# KiCad board for_real_486_2.kicad_pcb (continued)
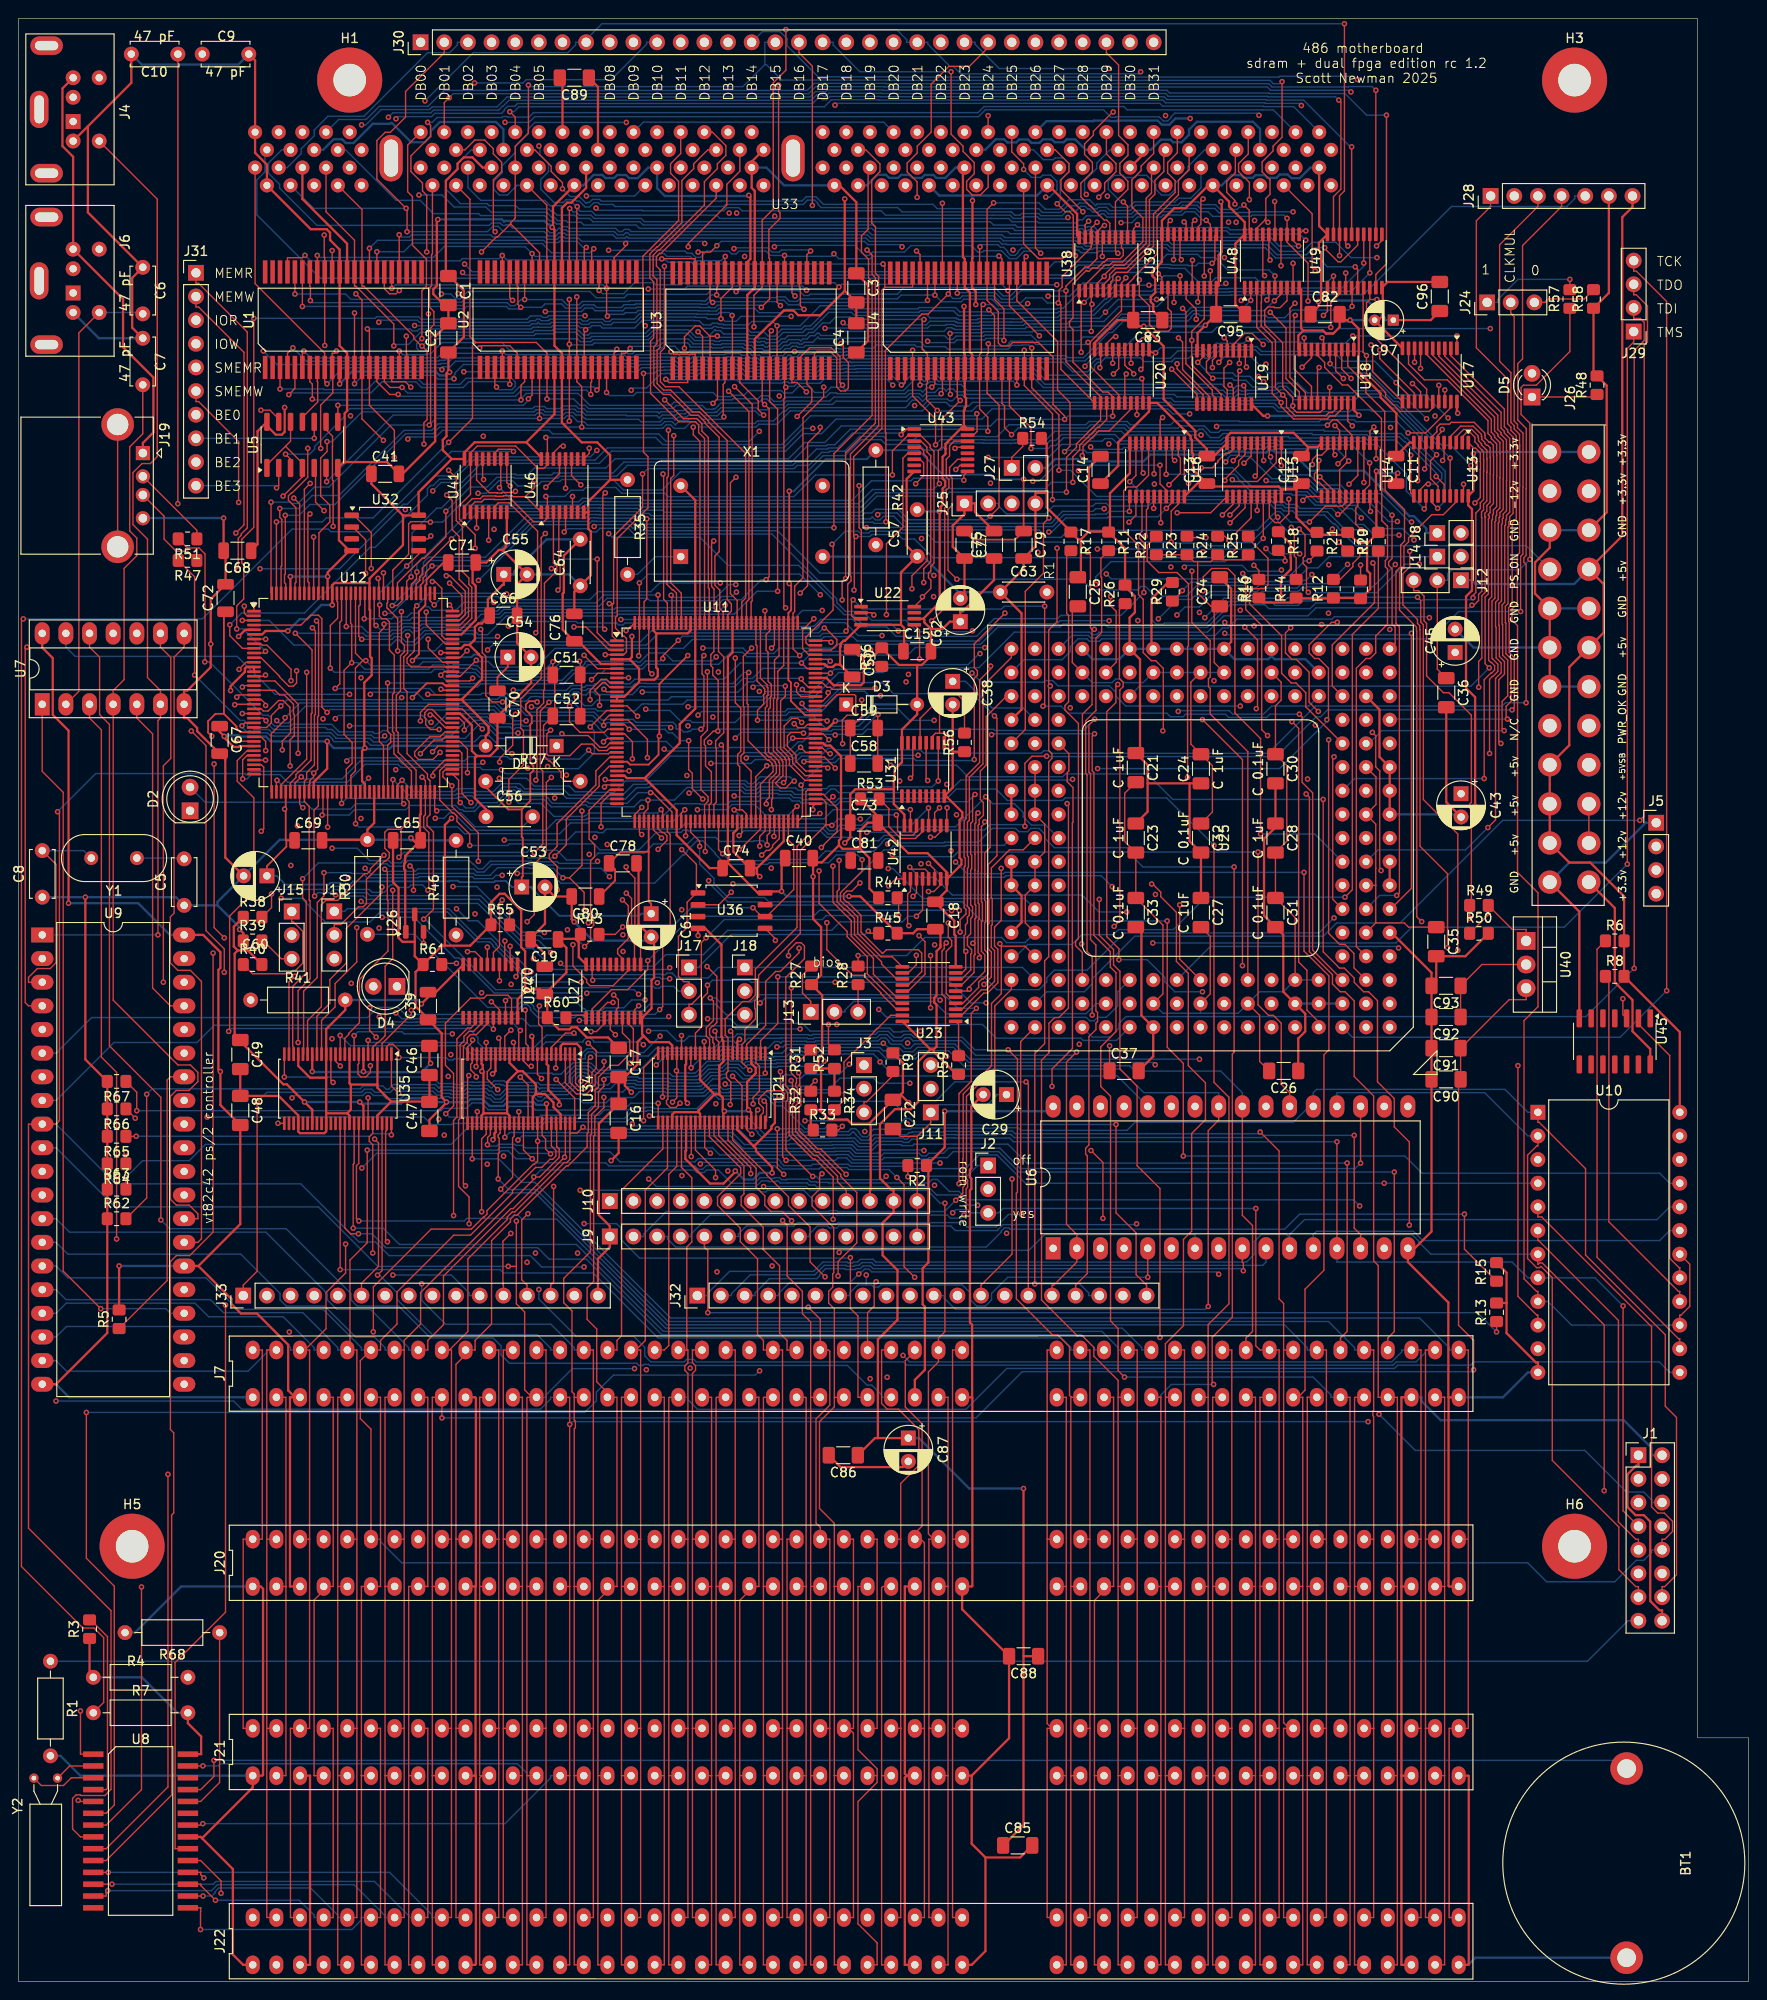
[diagram p0: board, top side]
## Routing (per net, layer and track width the routed paths; a pad name or vN(x,y) marks a point on that pad's centre or on a via; arc(x,y) is an arc through that point) (continued)
DB13: length 202.4
  Top w0.15: v1(59.19,190.43) 59.16,190.39 59.16,183.62 ; v1(137.13,178.94) 137.01,178.81 137.01,173.19 138.87,171.32 U18.13 ; v1(29.56,159.32) 30.19,158.69 U12.138 ; U48.14 v1(135.59,184.28)
  In1.Cu w0.15: 58.9,191.86 53.12,191.86 U33.17 ; 58.9,191.86 60.26,191.86 60.74,192.35 61.22,192.35 61.71,191.86 62.7,191.86 63.38,192.54 63.38,193.02 64.88,194.52 64.88,195.15 66.15,196.42 66.15,197.07 67.31,198.23 67.31,198.88 75.58,207.15 76.2,207.15 J30.14 ; 58.9,191.86 58.9,190.72 v1(59.19,190.43) ; v1(29.56,159.32) 29.56,164.36 32.5,167.3 34.79,167.3 v1(35.65,168.16)
  In2.Cu w0.15: v1(137.13,178.94) 137.04,179.04 136.5,179.04 135.82,179.72 135.82,183.35 136.17,183.7 ; 136.17,183.7 136.88,183.7 138.25,185.08 v1(138.25,187.02) ; 136.17,183.7 v1(135.59,184.28) ; v1(35.65,168.16) 37.07,169.59 37.07,175.78 39.37,178.08 39.37,178.18 52.07,190.88 U33.17
  Bottom w0.15: v1(59.19,190.43) 59.57,190.06 59.88,190.06 60.23,189.71 61.48,189.71 61.83,189.36 66.87,189.36 67.22,189 91.92,189 104.37,189 104.72,188.65 107.05,188.65 107.29,188.41 113.62,188.41 113.81,188.61 114.4,188.61 114.59,188.41 114.78,188.41 114.85,188.48 115.49,188.48 115.95,188.02 124.08,188.02 124.09,188.02 129.75,188.02 130.1,187.67 137.6,187.67 v1(138.25,187.02)
DB14: length 221.3
  Top w0.15: U18.12 138.22,170.64 136.56,172.3 136.56,179.71 v1(137.1,180.25) ; v1(31.32,160.9) 30.69,160.27 U12.137 ; U48.17 133.64,183.4 v1(133.83,183.21) ; U33.19 56.73,190.79 56.73,185.16 56.75,185.14 56.75,183.62
  In1.Cu w0.15: J30.15 77.61,208.28 77.61,208.56 76.77,209.41 75.67,209.41 74.93,208.67 74.93,207.89 66.72,199.67 v1(65.28,199.67) ; v1(133.83,183.21) 136.8,180.25 v1(137.1,180.25)
  In2.Cu w0.15: v1(137.1,180.25) 137.1,182.36 140.38,185.64 140.53,185.64 143.81,188.92 v1(143.81,204.28) ; v1(31.32,160.9) 37.42,167 37.42,175.64 54.61,192.83 U33.19
  Bottom w0.15: U33.19 53.54,192.91 52.5,191.87 51.64,191.87 51.03,192.48 51.03,193.34 51.95,194.26 51.95,195.03 53.34,196.42 53.34,197.04 54.72,198.42 54.72,198.93 55.46,199.67 v1(65.28,199.67) ; J30.15 79.89,209.43 81.77,209.43 82.55,208.65 82.55,207.9 85.88,204.57 93.4,204.57 93.43,204.54 135.38,204.54 135.47,204.63 143.46,204.63 v1(143.81,204.28)
DB15: length 198.6
  Top w0.15: 52.84,188.78 51.42,187.36 51.31,187.36 v1(49.72,185.77) ; 52.84,188.78 55.95,185.67 55.95,183.62 ; 52.84,188.78 52.84,188.89 53.34,189.39 U33.20 53.34,197.12 54.76,198.54 v1(54.76,203.68) ; v1(134.45,179.27) 136.13,177.59 136.13,172.15 137.57,170.71 U18.11 ; 133.91,189.23 133,188.31 U48.18 ; 133.91,189.23 v1(134.19,188.94) ; 133.91,189.23 133.91,189.31 133.97,189.37 133.97,191.51 134.42,191.95 134.42,193.51 133.56,194.36 133.56,195.43 134.74,196.61 134.74,197.12 135.71,198.09 v1(135.71,204.05) ; v1(31.29,157.63) 31.07,157.41 31.07,150.34 31.19,150.23 U12.136
  In2.Cu w0.15: v1(134.19,188.94) 133.25,188 133.25,180.46 v1(134.45,179.27) ; v1(31.29,157.63) 37.77,164.11 37.77,175.49 44.8,182.52 45.15,182.52 48.39,185.77 v1(49.72,185.77)
  Bottom w0.15: J30.16 80.15,208.28 80.15,205.88 ; 80.15,205.88 77.79,203.52 54.93,203.52 v1(54.76,203.68) ; 80.15,205.88 80.32,205.88 81.98,204.22 93.26,204.22 93.29,204.18 134.42,204.18 134.77,203.83 135.49,203.83 v1(135.71,204.05)
DB16: length 176.7
  Top w0.15: U39.3 v1(124.11,180.34) ; v1(131.16,172.98) 131.01,172.84 131.01,169.53 U19.18 ; v1(76.64,178.94) 76.67,178.91 U3.9 ; v1(31.68,155.15) 31.69,155.14 U12.135 ; v1(85.26,190.75) 85.26,205.71 83.82,207.15 J30.17
  In1.Cu w0.15: 85.26,189.81 v1(85.26,190.75) ; 85.26,189.81 85.26,187.55 v1(76.64,178.94) ; 85.26,189.81 105.41,189.81 ; 125.38,179 125.71,179.34 125.71,179.82 125.2,180.34 v1(124.11,180.34) ; 125.38,179 118.43,179 116.55,180.88 116.37,180.88 115.82,181.42 115.51,181.42 115.04,181.9 113.63,181.9 110.49,185.04 109.55,185.04 109.21,185.38 109.21,186.01 105.41,189.81 ; 125.38,179 125.38,178.27 129.5,174.14 129.5,173.64 130.17,172.98 v1(131.16,172.98) ; 105.41,189.81 U33.55
  In2.Cu w0.15: v1(31.68,155.15) 31.68,156.4 30.7,157.38 30.7,157.85 30.91,158.06 30.91,160.49 30.69,160.71 30.69,161.12 33.96,164.38 33.96,167.6 36.72,170.36 36.72,175.93 38.78,177.99 38.78,178.11 v1(38.68,178.21)
  Bottom w0.15: v1(76.64,178.94) 76.33,179.25 75.28,179.25 75.08,179.06 74.02,179.06 74,179.08 72.89,179.08 72.85,179.11 66.7,179.11 66.13,178.54 63.74,178.54 63.49,178.29 63.01,178.29 62.76,178.54 61.28,178.54 61.08,178.33 60.6,178.33 60.39,178.54 57.07,178.54 56.96,178.43 56.96,178.43 56.9,178.37 56.13,178.37 55.97,178.54 55.66,178.54 55.51,178.38 54.97,178.38 54.77,178.19 43.07,178.19 42.83,178.43 38.9,178.43 v1(38.68,178.21)
DB17: length 202.7
  Top w0.15: v1(124.76,183.19) 124.76,183.19 U39.4 ; U12.134 32.26,149.16 32.26,155.58 33.43,156.75 33.43,158.56 32.44,159.54 32.44,163.63 33.13,164.32 v1(33.13,165.39) ; v1(100.16,205.11) 100.16,198.4 101.45,197.11 101.45,196.55 102.64,195.36 102.64,194.16 101.83,193.34 101.83,192.48 102.44,191.87 103.3,191.87 104.14,192.71 U33.56 ; U3.10 77.47,171.73 79.45,169.75 79.45,168.81 v1(80.02,168.23) ; U19.17 130.47,171.12 v1(130.12,171.47)
  In1.Cu w0.15: v1(130.12,171.47) 131.05,172.4 131.78,172.4 132.48,173.1 132.48,174.86 129.3,178.05 129.3,178.66 v1(124.76,183.19)
  In2.Cu w0.15: U33.56 104.14,187.45 v1(110.58,181.01) ; J30.18 86.36,207.15 82.49,203.28 82.49,189.06 80.35,186.93 80.35,178.53 80.13,178.3 80.13,177.93 79.52,177.32 79.52,168.74 v1(80.02,168.23)
  Bottom w0.15: v1(110.58,181.01) 112.89,181.01 114.31,182.43 116.71,182.43 117.85,183.56 121.46,183.56 122.18,182.84 122.66,182.84 123.01,183.19 123.01,183.19 v1(124.76,183.19) ; v1(33.13,165.39) 33.69,165.39 36.88,168.58 55.35,168.58 55.57,168.81 56.34,168.81 56.57,168.58 58.32,168.58 58.6,168.87 59.72,168.87 60.01,168.58 60.57,168.58 60.92,168.23 65.27,168.23 65.34,168.16 68.57,168.16 68.81,167.92 69.12,168.24 70.47,168.24 70.54,168.18 70.73,168.37 71.6,168.37 71.79,168.56 73.14,168.56 73.55,168.16 75.06,168.16 75.56,168.66 79.14,168.66 79.57,168.23 v1(80.02,168.23) ; v1(100.16,205.11) 90.37,205.11 87.49,208 87.49,208.28 J30.18
DB18: length 193.7
  Top w0.15: v1(126.65,180.38) 126.7,180.43 U39.7 ; v1(112.71,185.62) 112.13,185.04 109.55,185.04 107.95,186.64 U33.57 ; U19.16 129.82,170.96 129.47,171.31 129.47,173.28 v1(130.08,173.89) ; U3.13 79.87,169.64 v1(80.13,169.38) 80.61,168.9 80.61,150.87 v1(80.3,150.56) ; U12.128 v1(35.19,145.53)
  In1.Cu w0.15: v1(130.08,173.89) 130.08,176.77 126.65,180.2 v1(126.65,180.38) 126.29,180.38 122.66,184 116.94,184 116.94,184 114.02,184 112.71,185.3 v1(112.71,185.62)
  In2.Cu w0.15: J30.19 88.9,207.15 82.84,201.1 82.84,187.98 v1(81.18,186.32) 80.73,185.86 80.73,178.4 80.48,178.16 80.48,177.74 80.13,177.39 v1(80.13,169.38)
  Bottom w0.15: v1(80.3,150.56) 79.78,150.56 77.62,148.4 75.65,148.4 75.31,148.06 74.81,147.56 64.16,147.56 63.96,147.36 52.09,147.36 51.58,146.84 49.69,146.84 48.64,145.79 43.32,145.79 42.92,145.39 42.3,145.39 42.26,145.43 42.23,145.43 42.16,145.5 41.39,145.5 41.03,145.14 40.09,145.14 39.81,144.86 37.51,144.86 36.84,145.53 v1(35.19,145.53) ; v1(81.18,186.32) 81.33,186.47 89.81,186.47 90.89,185.39 91.37,185.39 91.72,185.74 95.13,185.74 95.83,186.44 102.33,186.44 103.03,185.74 103.51,185.74 103.67,185.9 105.57,185.9 106.42,185.04 107.19,185.04 107.99,185.84 108.74,185.84 109.55,185.04 110.02,185.04 110.13,185.15 112.24,185.15 v1(112.71,185.62)
DB19: length 186
  Top w0.15: U39.8 127.36,178.58 126.01,177.23 v1(126.01,176.27) 126.01,173.63 129.17,170.47 U19.15 ; U12.125 36.69,147.86 36.54,147.71 36.54,144.47 v1(36.86,144.15) ; v1(80.85,177.3) 80.67,177.11 U3.14 80.67,169.73 81.53,168.87 v1(81.53,149.31)
  In1.Cu w0.15: v1(106.81,185.97) 108.32,185.97 108.86,185.43 108.86,185.23 109.4,184.69 109.95,184.69 111.92,182.73 112.3,182.73 113.48,181.55 114.89,181.55 115.36,181.07 115.68,181.07 116.22,180.53 116.33,180.53 120.93,175.92 125.67,175.92 v1(126.01,176.27)
  In2.Cu w0.15: v1(80.85,177.3) 80.83,177.32 80.83,178.01 81.25,178.43 81.25,185.31 83.19,187.26 83.19,198.91 91.44,207.15 J30.20 92.57,208.28 92.57,208 100.43,200.14 103.58,200.14 103.9,199.82 104.42,199.82 105.41,198.83 105.41,198.23 106.68,196.96 U33.58 106.68,186.09 v1(106.81,185.97)
  Bottom w0.15: v1(81.53,149.31) 79.32,149.31 76.86,146.85 64.45,146.85 64.25,146.65 52.38,146.65 50.37,144.65 49.4,144.65 48.95,145.09 43.61,145.09 42.4,143.88 41.58,143.88 41.03,144.43 40.38,144.43 40.1,144.15 v1(36.86,144.15)
DB20: length 187.1
  Top w0.15: v1(37.12,146.36) 37.19,146.43 U12.124 ; U39.13 v1(127.36,183.17) ; v1(81.63,203.68) 81.63,190.13 81.79,189.98 81.79,189.36 80.58,188.15 80.58,185.13 80.67,185.04 U3.31 80.67,180.7 v1(79.78,179.81) ; v1(125.03,179.69) 125.38,179.34 125.38,173.76 128.22,170.92 128.22,170.42 128.52,170.12 U19.14 ; v1(109.78,185.62) 109.22,186.18 U33.60
  In1.Cu w0.15: U33.60 109.22,196.96 110.26,198 110.26,199.08 109.67,199.67 103.44,199.67 95.11,208 95.11,208.28 J30.21 93,208.28 93,208.19 88.49,203.68 v1(81.63,203.68) ; v1(125.03,179.69) 118.33,179.69 116.79,181.23 116.51,181.23 115.97,181.78 115.66,181.78 115.18,182.25 113.89,182.25 110.53,185.62 v1(109.78,185.62)
  In2.Cu w0.15: v1(56.57,179.35) 56.57,171.48 55.6,170.51 55.6,170.01 53.94,168.35 53.94,155.74 50.99,152.79 50.99,148.18 v1(51.05,148.12) ; v1(125.03,179.69) 127.36,182.02 v1(127.36,183.17)
  Bottom w0.15: v1(79.78,179.81) 79.54,180.04 75.07,180.04 74.79,179.76 74.31,179.76 74.2,179.87 74.14,179.87 74.05,179.78 73.18,179.78 73.14,179.82 66.41,179.82 66.33,179.74 65.18,179.74 64.88,179.44 61.94,179.44 61.65,179.72 60.84,179.72 60.47,179.35 v1(56.57,179.35) ; v1(51.05,148.12) 47.82,148.12 46.96,147.27 44.41,147.27 44.02,147.65 43.54,147.65 42.85,146.96 42.14,146.96 41.74,146.55 40.26,146.55 40.07,146.36 v1(37.12,146.36)
DB21: length 201.3
  Top w0.15: 38.19,149.09 38.19,145.84 v1(38.39,145.64) ; U19.13 127.87,170.28 125.03,173.12 125.03,176.08 v1(124.58,176.53) ; v1(78.98,177.71) 78.98,181.1 79.87,181.99 U3.32 79.87,189.17 81.06,190.36 81.06,203.92 82.42,205.28 v1(82.42,209.64) ; U39.14 126.7,188.46 126.99,188.75 126.99,191.22 v1(127.22,191.45)
  In1.Cu w0.15: v1(120.52,205.11) 120.52,204.76 123.77,201.51 123.77,200.17 123.38,199.78 123.38,198.2 124.26,197.32 124.26,196.28 123.34,195.37 123.34,194.27 ; U33.65 119.06,192.91 120.16,194.01 121.14,194.01 121.42,193.73 122.33,193.73 122.87,194.27 123.34,194.27 ; 123.34,194.27 124.23,193.38 124.23,192.86 125.64,191.45 v1(127.22,191.45)
  In2.Cu w0.15: v1(127.22,191.45) 126.99,191.22 126.99,188.3 125.46,186.77 125.46,184.68 125.12,184.35 125.03,184.35 124.18,183.49 124.18,183.13 123.49,182.44 123.49,177.62 v1(124.58,176.53) ; v1(78.98,177.71) 78.98,151.1 v1(77.11,149.22)
  Bottom w0.15: v1(38.39,145.64) 38.82,145.21 39.66,145.21 39.95,145.49 40.88,145.49 41.24,145.85 42.31,145.85 42.31,145.85 42.87,145.85 43.17,146.15 47.27,146.15 48.32,147.19 51.43,147.19 51.95,147.71 62.36,147.71 63.21,148.56 67.55,148.56 67.81,148.3 75.05,148.3 75.5,148.75 76.63,148.75 v1(77.11,149.22) ; v1(120.52,205.11) 120.29,204.89 101.2,204.89 100.4,205.69 100.05,205.69 97.65,208.09 97.65,208.28 J30.22 95.39,208.28 95.39,208.56 94.31,209.64 v1(82.42,209.64)
DB22: length 187.4
  Top w0.15: 38.69,149.09 38.69,150.61 v1(38.61,150.69) ; v1(77.06,181.5) 77.47,181.9 U3.35 ; U39.17 124.76,185.05 v1(124.89,184.92) ; U19.12 127.22,170.43 124.44,173.21 v1(124.44,173.75)
  In1.Cu w0.15: J30.23 100.19,208.28 100.19,208 107.24,200.94 113.52,200.94 114.79,199.67 117.27,199.67 117.92,199.02 117.92,198.2 116.84,197.12 U33.66 ; v1(124.44,173.75) 122.21,173.75 117.25,178.7 116.51,178.7 115.87,179.34 115.87,180.38 115.53,180.72 115.22,180.72 114.87,181.07 112.93,181.07 112.87,181.01 112.26,181.01 111.92,181.35 111.92,181.83 v1(111.51,182.24)
  In2.Cu w0.15: v1(124.44,173.75) 123.14,175.04 123.14,182.77 123.83,183.45 123.83,183.86 v1(124.89,184.92) ; v1(111.51,182.24) 111.51,189.64 114.42,192.55 114.42,193.24 116,194.82 U33.66 ; v1(45.41,181.25) 44.54,181.25 38.61,175.31 38.61,150.69 v1(38.61,150.69)
  Bottom w0.15: v1(45.41,181.25) 46.42,181.25 46.96,180.71 47.43,180.71 48.24,181.51 61.36,181.51 62.03,180.84 65.04,180.84 65.41,181.2 73.93,181.2 74.45,181.72 76.84,181.72 v1(77.06,181.5) 77.17,181.61 83.82,181.61 84.35,181.07 84.87,181.07 85.02,181.23 94.39,181.23 95.1,181.93 104.85,181.93 105.75,181.04 106.54,181.04 107.74,182.24 v1(111.51,182.24)
DB23: length 186.7
  Top w0.15: U19.11 126.57,170.45 v1(123.86,173.16) ; U12.120 v1(39.19,151.29) ; v1(75.44,178.58) 75.44,180.76 76.67,181.99 U3.36 ; v1(124.05,184.92) 124.11,184.97 U39.18
  In1.Cu w0.15: v1(82.98,178.84) 87.89,178.84 v1(88.56,178.17)
  In2.Cu w0.15: 122.71,180.65 122.71,182.83 123,183.12 123,183.87 v1(124.05,184.92) ; 122.71,180.65 v1(122.23,180.65) ; 122.71,180.65 122.71,174.3 v1(123.86,173.16) ; v1(116.75,179.29) 117.18,179.73 117.18,186.84 119.01,188.66 119.01,189.13 118.92,189.21 118.92,189.4 120.65,191.12 U33.67 120.65,195.21 121.7,196.26 121.7,197.34 120.82,198.22 120.82,201.76 v1(117.12,205.46) ; v1(39.19,151.29) 39.78,151.88 39.78,169.42 39.72,169.47 39.72,175.93 41.65,177.85 v1(42.53,177.85)
  Bottom w0.15: v1(122.23,180.65) 118.11,180.65 v1(116.75,179.29) 116.09,178.64 112.02,178.64 111.76,178.38 110.32,178.38 107.92,178.38 107.76,178.22 106.67,178.22 106.66,178.24 103.19,178.24 103.09,178.13 100.85,178.13 100.76,178.22 100.64,178.22 100.55,178.32 97.88,178.32 97.49,177.93 88.8,177.93 v1(88.56,178.17) ; J30.24 102.73,208.28 102.73,208.06 105.33,205.46 v1(117.12,205.46) ; v1(82.98,178.84) 77.59,178.84 77.06,178.31 75.86,178.31 75.59,178.58 v1(75.44,178.58) 74,178.58 73.85,178.73 72.74,178.73 72.71,178.76 66.85,178.76 66.27,178.19 63.89,178.19 63.63,177.94 62.86,177.94 62.61,178.19 61.43,178.19 61.22,177.98 60.45,177.98 60.25,178.19 57.22,178.19 57.11,178.07 57.1,178.07 57.05,178.02 55.99,178.02 55.82,178.19 55.81,178.19 55.65,178.03 55.12,178.03 54.92,177.84 42.55,177.84 v1(42.53,177.85)
DB24: length 186.4
  Top w0.15: v1(96.51,191.62) 96.51,193.29 95.44,194.36 95.44,195.31 96.52,196.39 96.52,197.12 98.02,198.62 98.02,203.79 99.92,205.69 102.11,205.69 104.14,207.72 J30.25 ; v1(100.09,170.46) 100.02,170.52 U4.9 100.02,176.97 v1(100.05,177) ; 115.21,180.14 v1(115.21,177.23) ; 115.21,180.14 v1(115.29,180.14) ; 115.21,180.14 U38.3 ; U12.119 39.64,149.04 39.64,148.1 39.56,148.01 39.56,147.54 39.64,147.45 40.71,146.38 v1(40.71,142.91) ; U20.18 v1(120.12,168.28)
  In2.Cu w0.15: v1(92.74,144.56) 92.74,145.11 94.32,146.7 94.32,150.25 94.35,150.28 94.35,150.63 94.64,150.92 94.64,160.44 95.14,160.94 95.14,164.16 100.09,169.11 v1(100.09,170.46) ; 116.99,178.7 117.53,179.25 117.53,184.26 119.36,186.08 119.36,189.28 119.33,189.31 119.53,189.5 119.78,189.5 U33.69 ; 116.99,178.7 118.42,177.27 118.42,172.92 118.4,172.89 118.4,171.79 120.12,170.07 v1(120.12,168.28) ; 116.99,178.7 116.47,178.7 115.29,179.88 v1(115.29,180.14) ; v1(96.51,191.62) 99.17,188.96 99.17,177.88 v1(100.05,177)
  Bottom w0.15: v1(115.21,177.23) 115.12,177.32 109.89,177.32 109.88,177.33 109.41,177.33 109.41,177.32 109.03,177.32 108.87,177.17 106.24,177.17 106.22,177.18 103.63,177.18 103.52,177.07 100.13,177.07 v1(100.05,177) ; v1(92.74,144.56) 90.17,144.56 88.78,145.94 86.31,145.94 85.97,145.6 85.97,145.49 85.67,145.19 68.1,145.19 66.79,143.88 45.69,143.88 44.71,142.91 v1(40.71,142.91)
DB25: length 167.6
  Top w0.15: v1(44.23,156.74) 44.18,156.79 42.13,156.79 41.89,156.56 41.89,153.28 40.19,151.58 U12.118 ; U20.17 119.47,168.87 117.14,166.54 116.02,166.54 114.33,164.85 114.33,163.96 v1(114.25,163.88) ; U33.70 121.69,194.59 121.69,192.1 121.11,191.52 121.11,186.68 118.76,184.33 117.66,184.33 116.61,183.28 v1(116.61,183.13) 115.86,182.39 U38.4 ; 100.83,173.22 100.83,170.12 v1(101.14,169.81) 99.16,167.82 99.16,164.79 98.79,164.42 98.79,160.99 v1(98.9,160.87)
  In1.Cu w0.15: J30.26 107.81,208.28 107.81,208.07 115.78,200.1 121.97,200.1 123,199.07 123,198.2 121.92,197.12 U33.70 ; v1(114.25,163.88) 114.07,163.71 111.77,163.71 109.91,165.56 106.41,165.56 103.5,168.48 103.5,168.62 102.31,169.81 v1(101.14,169.81)
  In2.Cu w0.15: v1(116.61,183.13) 116.4,183.13 113.87,180.6 113.87,176.17 114.75,175.29 114.75,174.64 113.95,173.84 113.95,164.18 v1(114.25,163.88)
  Bottom w0.15: v1(44.23,156.74) 45.54,156.74 47.37,158.57 60.32,158.57 60.71,158.96 62.63,158.96 62.63,158.95 62.93,158.95 62.97,158.92 66.79,158.92 66.99,158.72 90.21,158.72 91.73,160.25 98.27,160.25 v1(98.9,160.87)
DB26: length 162.1
  Top w0.15: v1(118.11,182.91) 117.89,182.68 117.89,181.67 U38.7 ; v1(104.11,166.49) 104.11,168.01 103.23,168.89 103.23,174.75 103.41,174.94 103.41,179.92 v1(103.61,180.11) ; v1(45.89,157.9) 45.89,155.17 43.59,152.86 43.34,152.86 40.69,150.21 U12.117 ; U20.16 118.82,172.5 v1(118.97,172.66)
  In1.Cu w0.15: U33.71 125.73,195.14 124.64,196.23 124.64,197.29 125.54,198.2 125.54,199.58 125.27,199.85 125.27,201.18 120.76,205.69 119.59,205.69 118.13,207.15 113.78,207.15 112.89,208.05 112.89,208.75 112.23,209.41 111.29,209.41 110.35,208.46 110.35,208.28 J30.27
  In2.Cu w0.15: 118.9,182.41 119.27,182.41 119.62,182.76 119.62,182.88 125.15,188.41 125.43,188.41 125.77,188.75 125.77,192.88 U33.71 ; 118.9,182.41 118.9,172.73 v1(118.97,172.66) ; 118.9,182.41 118.61,182.41 v1(118.11,182.91)
  Bottom w0.15: v1(104.11,166.49) 103.88,166.72 89.34,166.72 87.67,165.05 86.85,165.05 86.73,164.94 84.76,164.94 83.01,163.19 65.02,163.19 63.85,162.02 57.46,162.02 57.26,161.81 55.15,161.81 54.8,161.46 53.28,161.46 53.19,161.55 51.35,161.55 50.32,160.51 48.5,160.51 v1(45.89,157.9) ; v1(103.61,180.11) 104.6,180.11 105.08,179.63 111.51,179.63 111.58,179.7 112.18,179.7 114.33,181.85 116.83,181.85 117.89,182.91 v1(118.11,182.91)
DB27: length 156
  Top w0.15: v1(118.94,182.98) 118.94,182.91 118.46,182.44 U38.8 118.46,179.45 115.09,176.08 115.09,176.05 ; 115.09,176.05 115.09,173.96 115.13,173.92 115.13,173.46 118.17,170.41 U20.15 ; 115.09,176.05 v1(114.87,176.05) ; v1(104.37,157.38) 105.31,158.33 105.31,169.32 104.02,170.6 U4.14 104.02,174.75 104.16,174.89 v1(104.16,175.9) ; U12.116 41.19,148.3 40.67,147.78 v1(40.14,147.78)
  In2.Cu w0.15: v1(118.94,182.98) 124.46,188.51 U33.72 123.51,194.82 122.15,196.17 122.15,197.19 122.96,198 122.96,199.83 122.62,200.17 122.62,200.78 116.25,207.15 113.73,207.15 112.89,208 112.89,208.28 J30.28
  Bottom w0.15: v1(40.14,147.78) 43.49,151.13 43.49,152.42 44.03,152.97 50.14,152.97 54.69,157.51 60.76,157.51 61.14,157.9 62.19,157.9 62.5,157.9 62.53,157.87 66.35,157.87 66.71,157.51 67.08,157.51 67.23,157.67 67.71,157.67 67.95,157.43 90.59,157.43 90.88,157.72 91.63,157.72 92.03,158.12 94.48,158.12 95.61,156.99 103.97,156.99 v1(104.37,157.38) ; v1(114.87,176.05) 114.64,175.82 109.26,175.82 108.91,176.17 106.55,176.17 106.41,176.03 106.41,175.95 106.14,175.68 104.39,175.68 v1(104.16,175.9)
DB28: length 192.8
  Top w0.15: U12.115 41.69,150.4 v1(42.16,150.87) ; v1(112.35,167.77) 112.35,168.14 111.12,169.37 111.12,174.46 109.55,176.03 106.76,176.03 106.39,175.66 105.55,175.66 105.23,175.98 105.23,179.36 104.02,180.56 U4.31 104.02,190.34 v1(104.72,191.04) ; v1(117.52,168.12) U20.14 117.52,170.21 117.01,170.71 116.46,170.71 113.25,173.92 113.25,177.43 112.87,177.81 112.87,178.29 113.25,178.67 113.25,182.35 114.67,183.76 114.73,183.76 114.83,183.67 114.97,183.67 115.35,184.05 115.89,184.05 116.54,184.7 116.64,184.7 116.98,185.04 118.31,185.04 118.65,185.38 118.65,186.01 118.46,186.2 U38.13
  In1.Cu w0.15: U33.74 127,197.12 128.1,198.21 128.1,199.03 121.09,206.04 119.97,206.04 117.97,208.05 117.97,208.75 117.31,209.41 116.37,209.41 115.43,208.46 115.43,208.28 J30.29
  Bottom w0.15: v1(42.16,150.87) 42.16,151.59 42.27,151.7 42.27,155.6 44.92,158.25 45.42,158.25 49.07,161.9 53.34,161.9 53.42,161.81 54.65,161.81 55.39,162.55 63.07,162.55 64.07,163.54 82.68,163.54 84.43,165.29 86.59,165.29 88.37,167.07 104.39,167.07 105.09,167.77 v1(112.35,167.77) 112.71,168.12 v1(117.52,168.12) ; v1(104.72,191.04) 109.6,191.04 110.28,190.36 111.79,190.36 112.8,191.36 115.04,191.36 115.67,190.73 115.85,190.91 117.18,190.91 117.53,190.56 119.25,190.56 119.83,191.13 124.2,191.13 124.6,191.52 125.89,191.52 127,192.64 U33.74
DB29: length 179
  Top w0.15: v1(103.27,186.31) 103.23,186.27 103.23,183.48 ; v1(113.24,161.02) 113.24,163.76 113.98,164.5 113.98,165 115.9,166.92 116.03,166.92 116.87,167.77 U20.13 ; v1(118.07,185.61) 117.82,185.87 U38.14 117.82,191.15 119.15,192.48 119.15,193.34 118.29,194.2 118.29,195.27 119.16,196.14 119.16,197.27 118.15,198.27 118.15,205.84 116.84,207.15 J30.30 ; U12.114 42.19,150.07 42.59,150.47 42.59,150.48 42.74,150.63 42.74,151.35 v1(42.78,151.39)
  In1.Cu w0.15: v1(129.96,188.95) 129.96,188.72 126.86,185.61 v1(118.07,185.61)
  In2.Cu w0.15: U33.75 129.96,192.07 v1(129.96,188.95) ; v1(103.27,186.31) 113.24,176.35 v1(113.24,161.02)
  Bottom w0.15: v1(42.78,151.39) 42.78,152.21 48.79,158.22 60.47,158.22 60.85,158.6 62.48,158.6 62.49,158.6 62.79,158.6 62.82,158.57 66.65,158.57 66.86,158.35 66.92,158.35 66.94,158.37 90.53,158.37 92.04,159.88 99.21,159.88 99.68,160.35 110.28,160.35 110.96,161.02 v1(113.24,161.02) ; v1(118.07,185.61) 117.84,185.85 116.04,185.85 115.86,185.68 114.13,185.68 113.85,185.95 113.57,185.95 113.33,186.19 107.73,186.19 107.38,185.85 107.38,185.73 107.04,185.39 106.57,185.39 106.23,185.73 106.23,185.85 105.83,186.25 105.48,186.25 105.18,186.54 103.5,186.54 v1(103.27,186.31)
DB30: length 163.1
  Top w0.15: v1(116.63,188.6) 116.5,188.6 115.86,187.97 U38.17 115.83,187.29 115.83,185.03 114.9,184.1 114.85,184.15 114.56,184.15 112.49,182.08 v1(112.49,181.59) 112.49,173.94 116.22,170.21 U20.12 116.22,167.74 113.62,165.14 113.62,164.77 112.55,163.69 v1(112.55,159.96) ; U12.113 42.7,149.1 42.7,150.09 43.08,150.47 43.08,150.48 43.09,150.49 43.09,150.88 43.36,151.15 43.36,151.79 v1(46.5,154.93) ; 100.83,183.48 v1(100.83,181.33)
  In1.Cu w0.15: J30.31 120.51,208.28 120.51,208 121.35,207.15 122.56,207.15 130.62,199.09 130.62,198.08 129.54,197 U33.76 128.67,194.82 127.19,193.34 127.19,192.3 127.81,191.68 127.81,190.23 126.99,189.4 126.99,188.99 126.44,188.44 126.41,188.44 126.13,188.15 120.47,188.15 120.42,188.11 117.13,188.11 v1(116.63,188.6)
  Bottom w0.15: v1(46.5,154.93) 49.43,157.87 60.61,157.87 61,158.25 62.34,158.25 62.34,158.25 62.64,158.25 62.68,158.22 66.5,158.22 66.85,157.87 66.93,157.87 67.09,158.02 69.15,158.02 69.38,157.79 90.44,157.79 92.19,159.53 99.58,159.53 100,159.96 v1(112.55,159.96) ; v1(112.49,181.59) 107.64,181.59 106.74,180.68 105.6,180.68 104.89,181.39 100.89,181.39 v1(100.83,181.33)
DB31: length 162.7
  Top w0.15: U20.11 111.96,173.16 111.96,180.09 111.77,180.28 ; v1(115.84,188.95) 115.21,188.32 U38.18 115.21,186.24 112.09,183.12 112.09,182 111.77,181.67 111.77,180.28 ; v1(44.42,152.04) 43.71,151.33 43.71,151 43.44,150.74 43.44,150.24 43.19,149.99 U12.112 ; 111.77,180.28 v1(111.67,180.28) ; v1(93.15,156.77) 93.15,166.37 93.1,166.43 93.1,175.17 97.01,179.08 97.7,179.08 v1(99.86,181.25) 100.02,181.41 U4.36
  In1.Cu w0.15: v1(115.84,188.95) 115.84,188.56 116.65,187.76 120.57,187.76 120.59,187.77 126.25,187.77 126.56,188.09 127.3,188.09 128.33,189.11 128.33,189.63 129.29,190.58 129.51,190.58 130.41,191.48 130.93,191.48 132.37,192.91 U33.77
  In2.Cu w0.15: J30.32 121.92,207.15 122.53,207.15 130.59,199.09 130.59,197.99 129.77,197.17 129.77,196.29 131,195.06 131,194.43 132.51,192.91 U33.77
  Bottom w0.15: v1(99.86,181.25) 100.36,180.76 101.09,180.76 101.38,181.04 104.75,181.04 105.46,180.33 107.69,180.33 108.18,180.82 109.95,180.82 110.49,180.28 v1(111.67,180.28) ; v1(44.42,152.04) 50.46,152.04 55.23,156.81 61.05,156.81 61.43,157.2 61.9,157.2 61.9,157.2 62.2,157.2 62.24,157.16 66.06,157.16 66.41,156.81 66.91,156.81 67.2,156.52 73.04,156.52 73.25,156.73 91.77,156.73 91.89,156.62 93,156.62 v1(93.15,156.77)
DB32: length 128.8
  Top w0.15: U49.2 v1(141.24,183.17)
  Bottom w0.15: v1(141.24,183.17) 140.67,182.6 133.22,182.6 132.84,182.98 128.58,182.98 128.17,182.57 126.7,182.57 125.27,183.99 123.67,183.99 123.6,184.06 117,184.06 116.94,184 114.45,184 113.39,182.93 32.4,182.93 25.59,189.74 25.59,193.5 26.46,194.37 26.46,196.52 U33.86
DB33: length 150.6
  Top w0.15: U49.5 143.23,181.88 v1(143.23,179.91)
  In2.Cu w0.15: U33.87 27.05,198.63 24.36,195.94 24.36,177.05 v1(26.28,175.12)
  Bottom w0.15: v1(143.23,179.91) 142.84,179.52 136.82,179.52 135.99,178.69 134.21,178.69 133.98,178.92 126.9,178.92 126.73,179.1 126.25,179.1 125.91,178.76 125.91,178.66 125.6,178.35 118.7,178.35 117.46,177.11 117.1,177.11 114.4,174.41 112.69,174.41 112.48,174.62 99.51,174.62 99.5,174.63 96.69,174.63 96.68,174.62 89.68,174.62 89.6,174.7 88.94,174.7 88.87,174.64 88.08,174.64 88.02,174.58 85.52,174.58 85.11,174.17 84.34,174.17 84.05,174.45 84.04,174.45 83.72,174.13 82.95,174.13 82.82,174.27 82.76,174.27 82.4,173.91 81.29,173.91 81.17,173.79 79.47,173.79 79.29,173.97 78.48,173.97 78.13,174.32 77.49,174.32 77.32,174.48 76.1,174.48 76.01,174.39 74.08,174.39 73.99,174.48 72.4,174.48 72.05,174.13 70.99,174.13 70.65,174.47 68.79,174.47 68.76,174.44 68.03,174.44 67.96,174.38 66.48,174.38 66.22,174.12 65.16,174.12 64.9,174.38 46.64,174.38 46.04,173.78 45.38,173.78 45.3,173.7 44.19,173.7 44.16,173.67 27.74,173.67 v1(26.28,175.12)
